# Altium PCB spin5v1_simple.PcbDoc (part 19 of 25)
Units mm, origin at the board's own origin, x right, y up, seen from the top; angles counter-clockwise.
Board outline 220.03 x 233.43 mm, 2 copper layers (TOP, BOTTOM), stack 0.176 mm thick; 1457 components, 4724 nets, 19245 pads, 25289 vias.
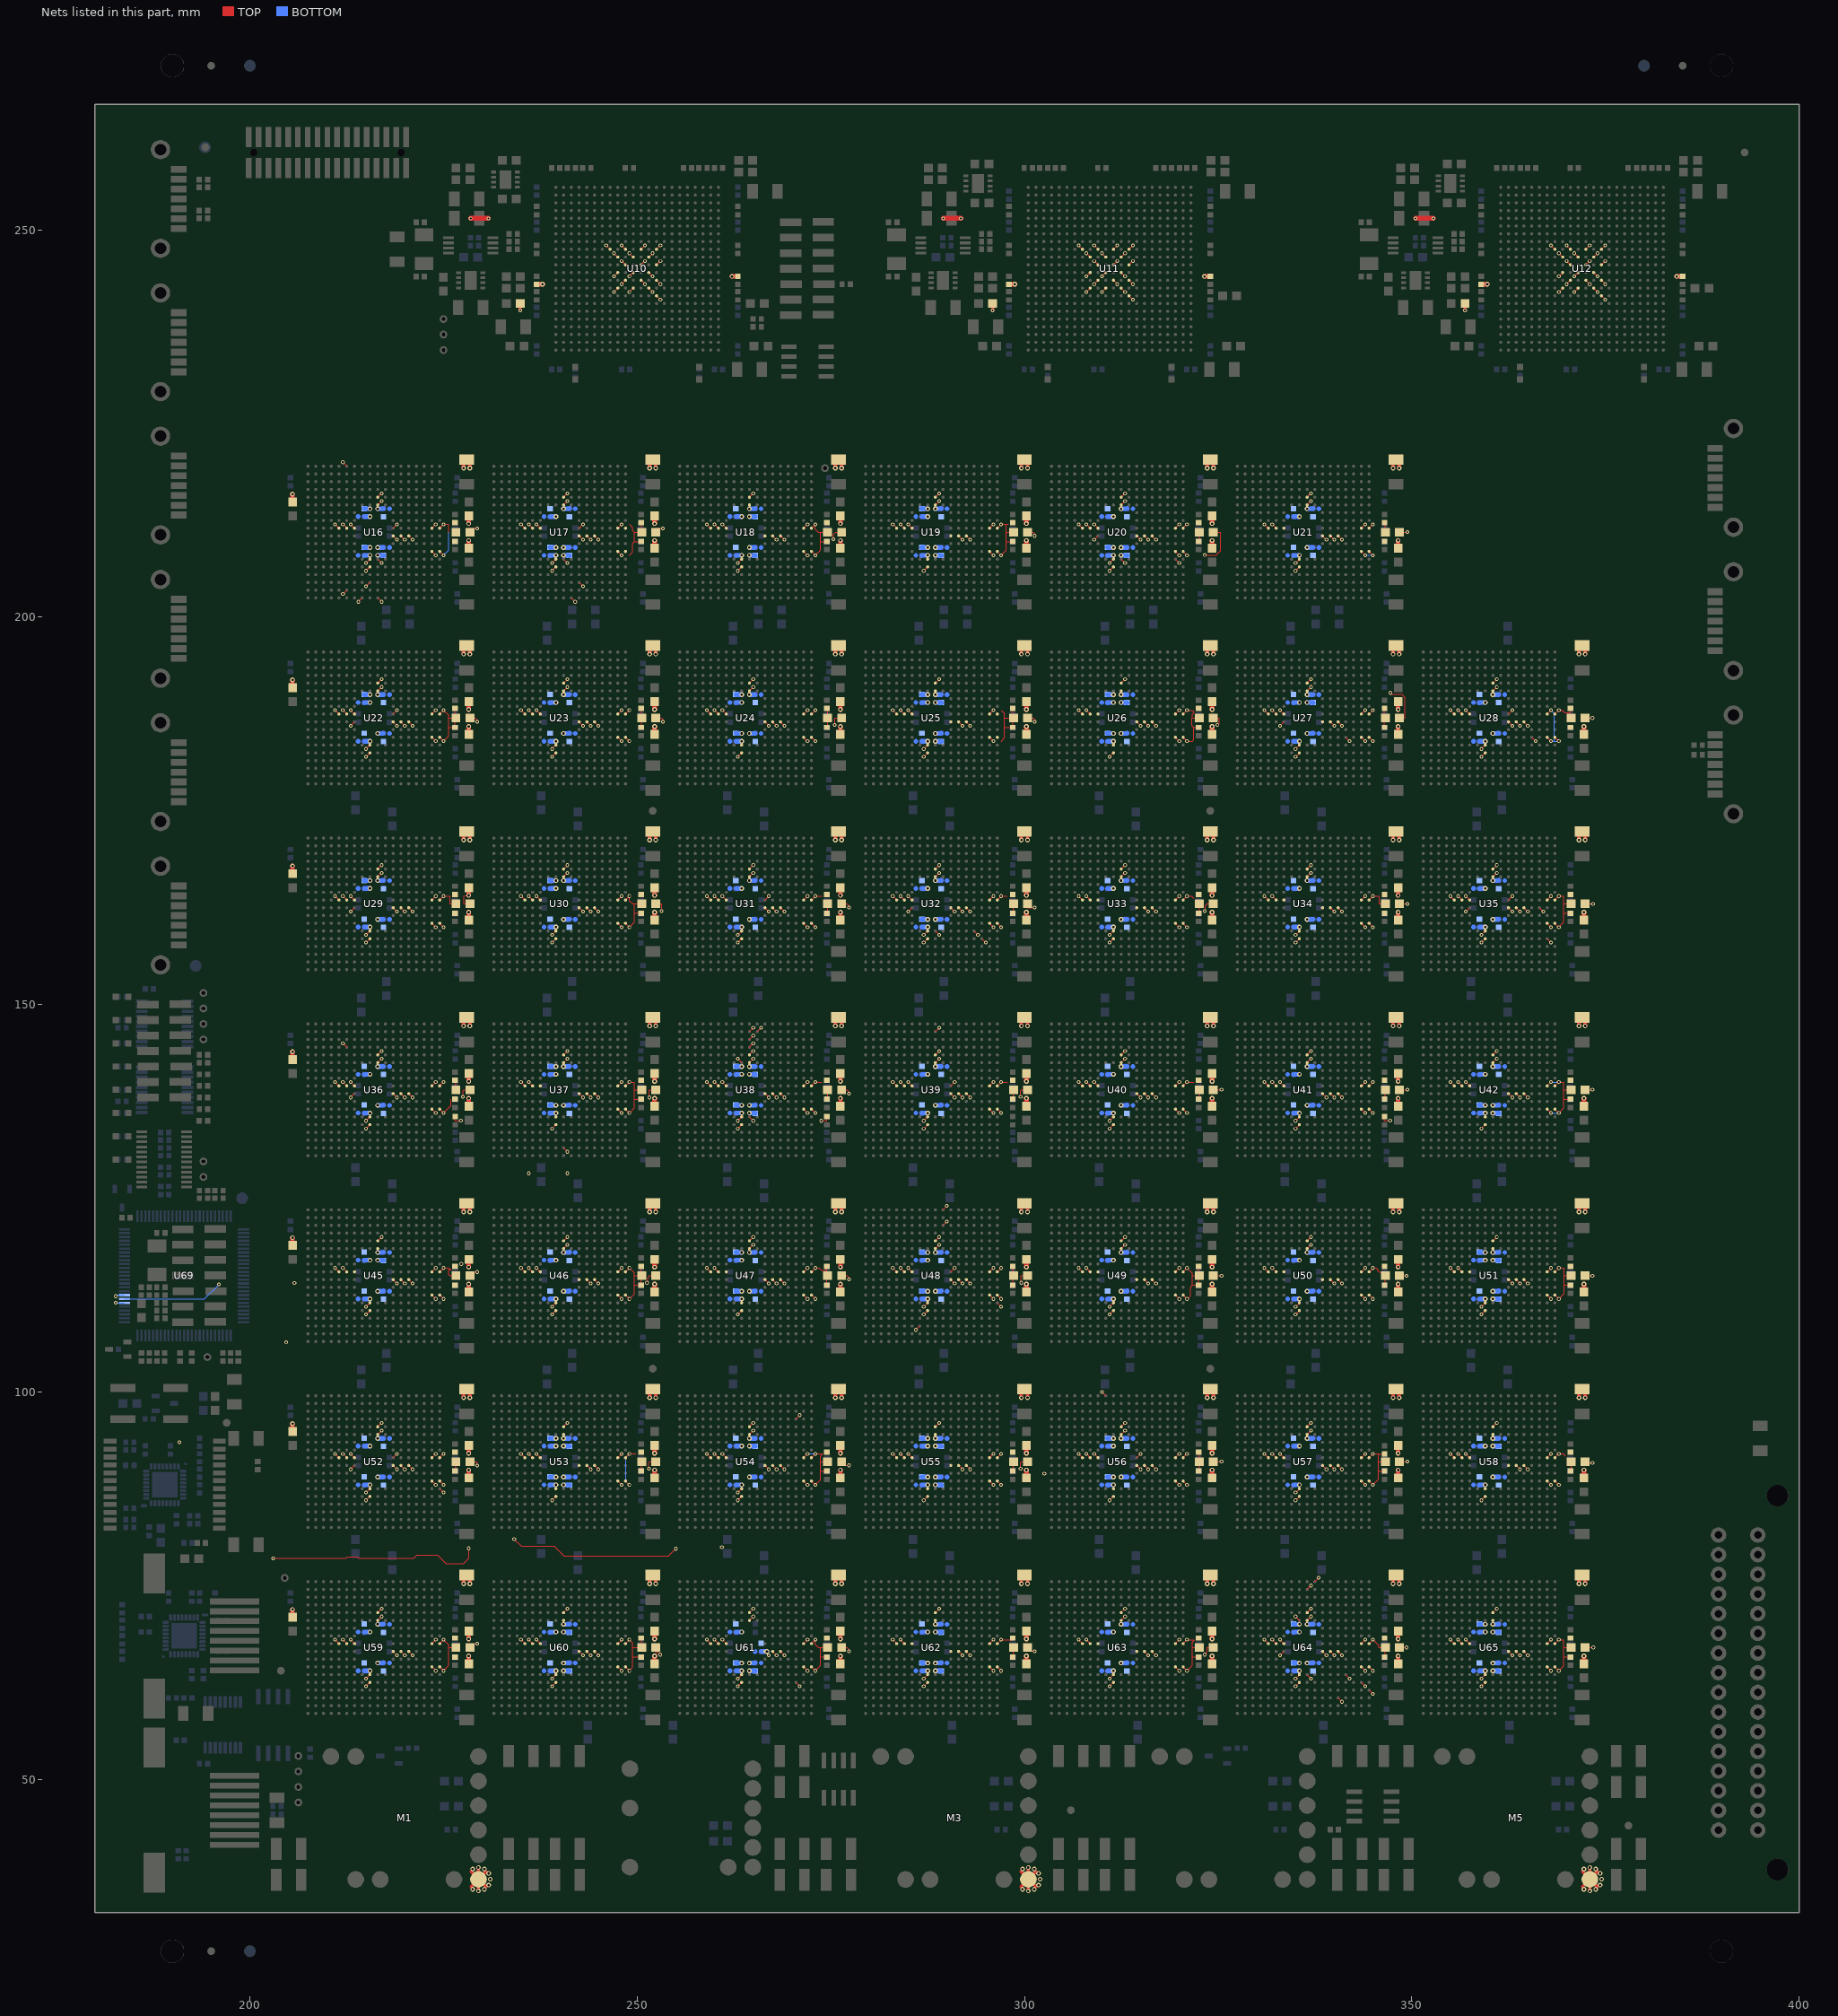
[diagram p19: the nets of this part, all layers, seen from the top]

## Via types
v1: diameter 0.48, hole 0.25, TOP to BOTTOM, 22348 vias
v2: diameter 0.61, hole 0.3, TOP to BOTTOM, 2059 vias
v3: diameter 0.8, hole 0, TOP to BOTTOM, 882 vias

## Nets (pads, with @x,y where several pads share a name; then routed paths per layer and width w, separated by ;. In a path a pad name is that pad's centre, name@x,y a point inside that pad or via, vN(x,y) a via of type N, cw(c..) or ccw(c..) an arc to the next point about the centre after c; other vN are vias at no path point) (continued)
V12A: C80.1 C81.1 C100.1 C120.1 C121.1 C122.1 C128.1 C130.1 C131.1 C147.1 C148.1 C149.1 C159.1 C160.1 C161.1 C166.1 C167.1 C168.1 C187.1 C188.1 C189.1 C203.1 C204.1 C210.1 C211.1 C233.1 C234.1 C249.1 C250.1 C256.1 C257.1 C277.1 C278.1 C292.1 C293.1 C301.1 C302.1 C324.1 C325.1 C342.1 C343.1 C350.1 C351.1 C373.1 C374.1 C390.1 C391.1 C397.1 C398.1 C418.1 C419.1 C509.1 C510.1 C511.1 C512.1 C513.1 C514.1 C533.1 C534.1 C535.1 C536.1 C537.1 C538.1 C587.1 C588.1 C589.1 C590.1 C591.1 C592.1 C615.1 C616.1 C617.1 C618.1 C619.1 C620.1 C665.1 C666.1 C667.1 C668.1 C693.1 C694.1 C695.1 C696.1 C736.1 C737.1 C738.1 C739.1 C764.1 C765.1 C766.1 C767.1 C808.1 C809.1 C810.1 C811.1 C836.1 C837.1 C838.1 C839.1 C880.1 C881.1 C882.1 C883.1 C909.1 C910.1 C911.1 C912.1 C958.1 C959.1 C960.1 C961.1 C987.1 C988.1 C989.1 C990.1 FB1.1 FB2.1 FB3.1 FB7.1 FB8.1 FB9.1 FB14.1 FB15.1 FB21.1 FB22.1 FB28.1 FB29.1 FB36.1 FB37.1 FB43.1 FB44.1 M1.5 R14.1 U10.J8 U10.J10 U10.J12 U10.J14 U10.K9 U10.K11 U10.K13 U10.L10 U10.L12 U10.L14 U10.M9 U10.M11 U10.M13 U10.N10 U10.N12 U10.N14 U10.P9 U10.P11 U10.P13 U10.R14 U16.E10 U16.F10 U16.J5 U16.J6 U16.J7 U16.K12 U16.K13 U16.K14 U16.N9 U16.P9 U17.E10 U17.F10 U17.J5 U17.J6 U17.J7 U17.K12 U17.K13 U17.K14 U17.N9 U17.P9 U18.E10 U18.F10 U18.J5 U18.J6 U18.J7 U18.K12 U18.K13 U18.K14 U18.N9 U18.P9 U22.E10 U22.F10 U22.J5 U22.J6 U22.J7 U22.K12 U22.K13 U22.K14 U22.N9 U22.P9 U23.E10 U23.F10 U23.J5 U23.J6 U23.J7 U23.K12 U23.K13 U23.K14 U23.N9 U23.P9 U24.E10 U24.F10 U24.J5 U24.J6 U24.J7 U24.K12 U24.K13 U24.K14 U24.N9 U24.P9 U29.E10 U29.F10 U29.J5 U29.J6 U29.J7 U29.K12 U29.K13 U29.K14 U29.N9 U29.P9 U30.E10 U30.F10 U30.J5 U30.J6 U30.J7 U30.K12 U30.K13 U30.K14 U30.N9 U30.P9 U36.E10 U36.F10 U36.J5 U36.J6 U36.J7 U36.K12 U36.K13 U36.K14 U36.N9 U36.P9 U37.E10 U37.F10 U37.J5 U37.J6 U37.J7 U37.K12 U37.K13 U37.K14 U37.N9 U37.P9 U45.E10 U45.F10 U45.J5 U45.J6 U45.J7 U45.K12 U45.K13 U45.K14 U45.N9 U45.P9 U46.E10 U46.F10 U46.J5 U46.J6 U46.J7 U46.K12 U46.K13 U46.K14 U46.N9 U46.P9 U52.E10 U52.F10 U52.J5 U52.J6 U52.J7 U52.K12 U52.K13 U52.K14 U52.N9 U52.P9 U53.E10 U53.F10 U53.J5 U53.J6 U53.J7 U53.K12 U53.K13 U53.K14 U53.N9 U53.P9 U59.E10 U59.F10 U59.J5 U59.J6 U59.J7 U59.K12 U59.K13 U59.K14 U59.N9 U59.P9 U60.E10 U60.F10 U60.J5 U60.J6 U60.J7 U60.K12 U60.K13 U60.K14 U60.N9 U60.P9 U69.6 | length 39.4
  TOP w0.127: R14.1@226.5,135.53 226.5,135.004 v1(227.227,135.004) ; v1(227.509,138.083) 227.509,138.9 227.609,139 FB21.1@228.4,139 ; v2(228.25,164.093) 227.734,164.093 227.634,163.993 227.634,163 FB14.1@228.4,163 ; FB43.1@228.4,67 228.4,67.48 v1(229.342,67.48) ; FB36.1@228.4,91 229.271,91 229.342,90.929 v1(229.342,90.483) ; FB28.1@228.4,115 228.4,115.48 v1(229.342,115.48) ; FB7.1@228.4,187 229.102,187 229.342,186.76 v1(229.342,186.513) ; FB1.1@228.4,211 228.4,211.48 v1(229.342,211.48) ; v1(251.267,114.083) 251.366,114.182 251.366,114.746 251.62,115 FB29.1@252.4,115 ; v1(251.509,90.083) 251.509,90.9 251.609,91 FB37.1@252.4,91 ; v1(251.578,138) 251.578,139 FB22.1@252.4,139 ; FB44.1@252.4,67 252.4,66.387 252.736,66.387 252.976,66.147 v1(252.976,66.083) ; FB15.1@252.4,163 253.166,163 v1(253.166,162.067) ; FB8.1@252.4,187 253.102,187 253.342,186.76 v1(253.342,186.513) ; FB2.1@252.4,211 252.4,211.48 v1(253.342,211.48) ; v1(275.31,210.083) 275.366,210.139 275.366,210.746 275.62,211 FB3.1@276.4,211 ; v1(275.509,186.083) 275.509,186.9 275.609,187 FB9.1@276.4,187
  TOP w0.4: 228.573,36.148 M1.5@229.515,37.09 ; 228.573,38.032 M1.5@229.515,37.09 ; v2@229.515,35.83 M1.5@229.515,37.09 ; v2@229.515,38.35 M1.5@229.515,37.09 ; 230.457,36.148 M1.5@229.515,37.09 ; 230.457,38.032 M1.5@229.515,37.09 ; v1(234.9,239.6) C100.1@234.9,240.5
  TOP w0.6: v1(228.5,251.5) 229.6,251.5 v1(230.8,251.5)
  TOP w0.61: v2(237.76,243) v2@237.762,243 ; v2@262.238,244 v2(262.24,244)
  BOTTOM w0.127: v1(182.683,111.5) U69.6@183.8,111.5
  BOTTOM w0.61: 213.988,64 213.99,64 ; 213.988,69 213.99,69 ; 213.988,88 213.99,88 ; 213.988,93 213.99,93 ; 213.988,112 213.99,112 ; 213.988,117 213.99,117 ; 213.988,136 213.99,136 ; 213.988,141 213.99,141 ; 213.988,160 213.99,160 ; 213.988,165 213.99,165 ; 213.988,184 213.99,184 ; 213.988,189 213.99,189 ; 213.988,208 213.99,208 ; 213.988,213 213.99,213 ; 218.01,65 218.012,65 ; 218.01,70 218.012,70 ; 218.01,89 218.012,89 ; 218.01,94 218.012,94 ; 218.01,113 218.012,113 ; 218.01,118 218.012,118 ; 218.01,137 218.012,137 ; 218.01,142 218.012,142 ; 218.01,161 218.012,161 ; 218.01,166 218.012,166 ; 218.01,185 218.012,185 ; 218.01,190 218.012,190 ; 218.01,209 218.012,209 ; 218.01,214 218.012,214 ; 237.988,64 237.99,64 ; 237.988,69 237.99,69 ; 237.988,88 237.99,88 ; 237.988,93 237.99,93 ; 237.988,112 237.99,112 ; 237.988,117 237.99,117 ; 237.988,136 237.99,136 ; 237.988,141 237.99,141 ; 237.988,160 237.99,160 ; 237.988,165 237.99,165 ; 237.988,184 237.99,184 ; 237.988,189 237.99,189 ; 237.988,208 237.99,208 ; 237.988,213 237.99,213 ; 242.01,65 242.012,65 ; 242.01,70 242.012,70 ; 242.01,89 242.012,89 ; 242.01,94 242.012,94 ; 242.01,113 242.012,113 ; 242.01,118 242.012,118 ; 242.01,137 242.012,137 ; 242.01,142 242.012,142 ; 242.01,161 242.012,161 ; 242.01,166 242.012,166 ; 242.01,185 242.012,185 ; 242.01,190 242.012,190 ; 242.01,209 242.012,209 ; 242.01,214 242.012,214 ; 261.988,184 261.99,184 ; 261.988,189 261.99,189 ; 261.988,208 261.99,208 ; 261.988,213 261.99,213 ; 266.01,185 266.012,185 ; 266.01,190 266.012,190 ; 266.01,209 266.012,209 ; 266.01,214 266.012,214
  other v1: 215,62 239,62 215,63 239,63 249,64 219,66 220,66 221,66 243,66 244,66 245,66 211,68 212,68 213,68 235,68 236,68 237,68 249,68 217,71 217,72 241,72 215,86 239,86 215,87 225,87 213,90 219,90 220,90 221,90 244,90 245,90 211,92 212,92 213,92 219,92 235,92 236,92 237,92 217,95 217,96 241,96 215,110 239,110 215,111 239,111 219,114 220,114 221,114 244,114 245,114 211,116 212,116 235,116 236,116 237,116 241,119 217,120 241,120 241,131 215,134 239,134 215,135 213,138 219,138 220,138 221,138 243,138 244,138 245,138 211,140 212,140 213,140 235,140 236,140 217,143 241,143 217,144 241,144 212,145 215,158 239,158 215,159 239,159 213,162 219,162 220,162 221,162 243,162 244,162 245,162 211,164 212,164 213,164 235,164 236,164 237,164 217,167 241,167 217,168 241,168 215,182 239,182 263,182 215,183 239,183 213,186 219,186 220,186 221,186 243,186 244,186 245,186 267,186 268,186 269,186 211,188 212,188 213,188 219,188 235,188 236,188 237,188 259,188 260,188 261,188 217,191 241,191 265,191 217,192 241,192 265,192 214,202 217,202 242,202 212,203 215,204 243,204 215,206 239,206 263,206 215,207 217,207 239,207 241,207 263,207 219,210 220,210 221,210 243,210 244,210 245,210 268,210 269,210 211,212 212,212 213,212 219,212 235,212 236,212 237,212 243,212 259,212 260,212 261,212 217,215 241,215 217,216 241,216 265,216 212,220 253,241 247,242 249,242 252,242 248,243 251,243 253,243 247,244 249,244 252,244 248,246 251,246 253,246 247,247 249,247 252,247 246,248 248,248 251,248 253,248
  other v2: 229.515,35.578 228.759,35.781 230.271,35.781 230.824,36.334 231.027,37.09 230.824,37.846 228.759,38.399 230.271,38.399 229.515,38.602 215.51,64 239.51,64 240.49,64 216.49,65 240.49,65 228.25,65.907 252.25,65.907 228.25,68.093 215.51,69 239.51,69 240.49,69 216.49,70 240.49,70 205.5,71.907 227.6,75.243 228.4,75.243 251.6,75.243 252.4,75.243 215.51,88 239.51,88 240.49,88 216.49,89 239.51,89 240.49,89 228.25,89.907 252.25,89.907 228.25,92.093 215.51,93 239.51,93 240.49,93 216.49,94 239.51,94 240.49,94 205.5,95.907 227.6,99.243 228.4,99.243 251.6,99.243 252.4,99.243 215.51,112 239.51,112 216.49,113 240.49,113 228.25,113.907 252.25,113.907 228.25,116.093 215.51,117 216.49,117 239.51,117 216.49,118 240.49,118 205.5,119.907 227.6,123.243 228.4,123.243 251.6,123.243 252.4,123.243 215.51,136 239.51,136 216.49,137 239.51,137 240.49,137 228.25,137.907 252.25,137.907 228.25,140.093 215.51,141 239.51,141 216.49,142 239.51,142 240.49,142 205.5,143.907 227.6,147.243 228.4,147.243 251.6,147.243 252.4,147.243 215.51,160 239.51,160 216.49,161 240.49,161 228.25,161.907 252.25,161.907 215.51,165 239.51,165 215.51,166 216.49,166 239.51,166 240.49,166 205.5,167.907 227.6,171.243 228.4,171.243 251.6,171.243 252.4,171.243 215.51,184 239.51,184 263.51,184 216.49,185 240.49,185 263.51,185 264.49,185 228.25,185.907 252.25,185.907 276.25,185.907 228.25,188.093 252.25,188.093 215.51,189 239.51,189 263.51,189 215.51,190 216.49,190 240.49,190 263.51,190 264.49,190 205.5,191.907 227.6,195.243 228.4,195.243 251.6,195.243 252.4,195.243 275.6,195.243 276.4,195.243 215.51,208 216.49,208 239.51,208 240.49,208 263.51,208 264.49,208 215.51,209 216.49,209 239.51,209 240.49,209 264.49,209 228.25,209.907 252.25,209.907 276.25,209.907 228.25,212.093 252.25,212.093 215.51,213 239.51,213 263.51,213 264.49,213 215.51,214 216.49,214 240.49,214 264.49,214 205.5,215.907 227.6,219.243 228.4,219.243 251.6,219.243 252.4,219.243 275.6,219.243 276.4,219.243
V12B: C82.1 C83.1 C102.1 C123.1 C124.1 C132.1 C133.1 C150.1 C151.1 C162.1 C163.1 C169.1 C170.1 C190.1 C191.1 C205.1 C206.1 C207.1 C212.1 C213.1 C214.1 C235.1 C236.1 C237.1 C251.1 C252.1 C258.1 C259.1 C279.1 C280.1 C294.1 C295.1 C303.1 C304.1 C326.1 C327.1 C344.1 C345.1 C352.1 C353.1 C375.1 C376.1 C392.1 C393.1 C394.1 C399.1 C400.1 C401.1 C420.1 C421.1 C422.1 C505.1 C506.1 C507.1 C508.1 C529.1 C530.1 C531.1 C532.1 C583.1 C584.1 C585.1 C586.1 C611.1 C612.1 C613.1 C614.1 C659.1 C660.1 C661.1 C662.1 C663.1 C664.1 C687.1 C688.1 C689.1 C690.1 C691.1 C692.1 C732.1 C733.1 C734.1 C735.1 C760.1 C761.1 C762.1 C763.1 C804.1 C805.1 C806.1 C807.1 C832.1 C833.1 C834.1 C835.1 C876.1 C877.1 C878.1 C879.1 C905.1 C906.1 C907.1 C908.1 C952.1 C953.1 C954.1 C955.1 C957.1 C971.1 C981.1 C982.1 C983.1 C984.1 C985.1 C986.1 FB4.1 FB5.1 FB10.1 FB11.1 FB16.1 FB17.1 FB18.1 FB23.1 FB24.1 FB30.1 FB31.1 FB38.1 FB39.1 FB45.1 FB46.1 FB47.1 M3.5 R15.1 U11.J8 U11.J10 U11.J12 U11.J14 U11.K9 U11.K11 U11.K13 U11.L10 U11.L12 U11.L14 U11.M9 U11.M11 U11.M13 U11.N10 U11.N12 U11.N14 U11.P9 U11.P11 U11.P13 U11.R14 U19.E10 U19.F10 U19.J5 U19.J6 U19.J7 U19.K12 U19.K13 U19.K14 U19.N9 U19.P9 U20.E10 U20.F10 U20.J5 U20.J6 U20.J7 U20.K12 U20.K13 U20.K14 U20.N9 U20.P9 U25.E10 U25.F10 U25.J5 U25.J6 U25.J7 U25.K12 U25.K13 U25.K14 U25.N9 U25.P9 U26.E10 U26.F10 U26.J5 U26.J6 U26.J7 U26.K12 U26.K13 U26.K14 U26.N9 U26.P9 U31.E10 U31.F10 U31.J5 U31.J6 U31.J7 U31.K12 U31.K13 U31.K14 U31.N9 U31.P9 U32.E10 U32.F10 U32.J5 U32.J6 U32.J7 U32.K12 U32.K13 U32.K14 U32.N9 U32.P9 U33.E10 U33.F10 U33.J5 U33.J6 U33.J7 U33.K12 U33.K13 U33.K14 U33.N9 U33.P9 U38.E10 U38.F10 U38.J5 U38.J6 U38.J7 U38.K12 U38.K13 U38.K14 U38.N9 U38.P9 U39.E10 U39.F10 U39.J5 U39.J6 U39.J7 U39.K12 U39.K13 U39.K14 U39.N9 U39.P9 U47.E10 U47.F10 U47.J5 U47.J6 U47.J7 U47.K12 U47.K13 U47.K14 U47.N9 U47.P9 U48.E10 U48.F10 U48.J5 U48.J6 U48.J7 U48.K12 U48.K13 U48.K14 U48.N9 U48.P9 U54.E10 U54.F10 U54.J5 U54.J6 U54.J7 U54.K12 U54.K13 U54.K14 U54.N9 U54.P9 U55.E10 U55.F10 U55.J5 U55.J6 U55.J7 U55.K12 U55.K13 U55.K14 U55.N9 U55.P9 U61.E10 U61.F10 U61.J5 U61.J6 U61.J7 U61.K12 U61.K13 U61.K14 U61.N9 U61.P9 U62.E10 U62.F10 U62.J5 U62.J6 U62.J7 U62.K12 U62.K13 U62.K14 U62.N9 U62.P9 U63.E10 U63.F10 U63.J5 U63.J6 U63.J7 U63.K12 U63.K13 U63.K14 U63.N9 U63.P9 U69.7 | length 53.7
  TOP w0.127: v1(273.773,135) 274.5,135 R15.1@274.5,135.53 ; FB45.1@276.4,67 277.102,67 277.342,66.76 v1(277.342,66.513) ; FB38.1@276.4,91 276.4,90.52 v1(277.342,90.52) ; FB30.1@276.4,115 277.102,115 277.342,114.76 v1(277.342,114.513) ; FB23.1@276.4,139 277.102,139 277.342,138.76 v1(277.342,138.513) ; FB16.1@276.4,163 277.102,163 277.342,162.76 v1(277.342,162.513) ; v1(299.509,90.083) 299.509,90.9 299.609,91 FB39.1@300.4,91 ; v1(299.509,138.083) 299.509,138.9 299.609,139 FB24.1@300.4,139 ; v1(299.578,114.083) 299.578,115 FB31.1@300.4,115 ; FB46.1@300.4,67 300.4,66.52 v1(301.342,66.52) ; FB17.1@300.4,163 300.4,162.52 v1(301.342,162.52) ; FB10.1@300.4,187 301.102,187 301.342,186.76 v1(301.342,186.513) ; FB4.1@300.4,211 301.102,211 301.342,210.76 v1(301.342,210.513) ; v1(323.267,66.083) 323.62,66.436 323.62,67 FB47.1@324.4,67 ; v1(323.267,162.083) 323.366,162.182 323.366,162.746 323.62,163 FB18.1@324.4,163 ; v1(323.27,208.028) 324.781,208.028 325.353,208.6 325.353,210.873 325.226,211 FB5.1@324.4,211 ; FB11.1@324.4,187 325.166,187 325.166,186.327 v1(324.922,186.083)
  TOP w0.4: v1(295.9,239.6) C102.1@295.9,240.5 ; 299.573,36.148 M3.5@300.515,37.09 ; 299.573,38.032 M3.5@300.515,37.09 ; v2@300.515,35.83 M3.5@300.515,37.09 ; v2@300.515,38.35 M3.5@300.515,37.09 ; 301.457,36.148 M3.5@300.515,37.09 ; 301.457,38.032 M3.5@300.515,37.09
  TOP w0.6: v1(289.5,251.5) 290.6,251.5 v1(291.8,251.5)
  TOP w0.61: v2(298.76,243) v2@298.762,243 ; v2@323.238,244 v2(323.24,244)
  BOTTOM w0.127: U69.7@183.8,112 194.133,112 v1(196,113.867)
  BOTTOM w0.61: 261.988,64 261.99,64 ; 261.988,69 261.99,69 ; 261.988,88 261.99,88 ; 261.988,93 261.99,93 ; 261.988,112 261.99,112 ; 261.988,117 261.99,117 ; 261.988,136 261.99,136 ; 261.988,141 261.99,141 ; 261.988,160 261.99,160 ; 261.988,165 261.99,165 ; 265.238,66.5 265.24,66.5 ; 266.01,65 266.012,65 ; 266.01,89 266.012,89 ; 266.01,94 266.012,94 ; 266.01,113 266.012,113 ; 266.01,118 266.012,118 ; 266.01,137 266.012,137 ; 266.01,142 266.012,142 ; 266.01,161 266.012,161 ; 266.01,166 266.012,166 ; 285.988,64 285.99,64 ; 285.988,69 285.99,69 ; 285.988,88 285.99,88 ; 285.988,93 285.99,93 ; 285.988,112 285.99,112 ; 285.988,117 285.99,117 ; 285.988,136 285.99,136 ; 285.988,141 285.99,141 ; 285.988,160 285.99,160 ; 285.988,165 285.99,165 ; 285.988,184 285.99,184 ; 285.988,189 285.99,189 ; 285.988,208 285.99,208 ; 285.988,213 285.99,213 ; 290.01,65 290.012,65 ; 290.01,70 290.012,70 ; 290.01,89 290.012,89 ; 290.01,94 290.012,94 ; 290.01,113 290.012,113 ; 290.01,118 290.012,118 ; 290.01,137 290.012,137 ; 290.01,142 290.012,142 ; 290.01,161 290.012,161 ; 290.01,166 290.012,166 ; 290.01,185 290.012,185 ; 290.01,190 290.012,190 ; 290.01,209 290.012,209 ; 290.01,214 290.012,214 ; 309.988,64 309.99,64 ; 309.988,69 309.99,69 ; 309.988,160 309.99,160 ; 309.988,165 309.99,165 ; 309.988,184 309.99,184 ; 309.988,189 309.99,189 ; 309.988,208 309.99,208 ; 309.988,213 309.99,213 ; 314.01,65 314.012,65 ; 314.01,70 314.012,70 ; 314.01,161 314.012,161 ; 314.01,166 314.012,166 ; 314.01,185 314.012,185 ; 314.01,190 314.012,190 ; 314.01,209 314.012,209 ; 314.01,214 314.012,214
  other v1: 263,62 271,62 287,62 311,62 263,63 287,63 311,63 267,66 268,66 269,66 292,66 293,66 316,66 317,66 259,68 260,68 261,68 283,68 284,68 307,68 308,68 265,71 313,71 265,72 289,72 313,72 263,86 287,86 263,87 267,90 268,90 269,90 292,90 293,90 259,92 260,92 261,92 283,92 284,92 285,92 265,95 265,96 289,96 271,97 204.689,106.394 286,108 263,110 287,110 287,111 297,111 267,114 268,114 269,114 291,114 292,114 293,114 205.752,114.07 259,116 260,116 283,116 284,116 285,116 291,116 227.3,116.524 265,119 289,119 265,120 289,120 290,122 290,124 236,128.222 241,128.222 263,134 287,134 263,135 265,135 287,135 267,138 268,138 269,138 291,138 292,138 293,138 259,140 260,140 261,140 283,140 284,140 285,140 291,140 263,143 265,143 289,143 265,144 289,144 265,145 265,146 265,147 266,147 289,147 263,158 287,158 295,158 311,158 263,159 287,159 289,159 294,159 311,159 267,162 268,162 269,162 285,162 291,162 292,162 293,162 316,162 317,162 259,164 260,164 261,164 267,164 283,164 284,164 285,164 307,164 308,164 265,167 289,167 313,167 265,168 289,168 313,168 287,182 311,182 287,183 292,186 293,186 315,186 316,186 317,186 283,188 284,188 285,188 307,188 308,188 289,192 313,192 287,206 311,206 311,207 313,207 320,207 292,210 293,210 309,210 315,210 316,210 317,210 283,212 284,212 285,212 307,212 308,212 309,212 289,215 313,215 289,216 313,216 314,241 308,242 310,242 313,242 309,243 312,243 314,243 308,244 310,244 313,244 309,246 312,246 314,246 308,247 310,247 313,247 307,248 309,248 312,248 314,248
  other v2: 300.515,35.578 299.759,35.781 301.271,35.781 301.824,36.334 302.027,37.09 301.824,37.846 299.759,38.399 301.271,38.399 300.515,38.602 263.51,64 264.49,64 287.51,64 288.49,64 311.51,64 263.51,65 264.49,65 287.51,65 288.49,65 312.49,65 276.25,65.907 300.25,65.907 324.25,65.907 266.76,66.5 252.25,68.093 276.25,68.093 300.25,68.093 263.51,69 287.51,69 288.49,69 311.51,69 288.49,70 312.49,70 275.6,75.243 276.4,75.243 299.6,75.243 300.4,75.243 323.6,75.243 324.4,75.243 263.51,88 287.51,88 288.49,88 264.49,89 287.51,89 288.49,89 276.25,89.907 300.25,89.907 252.25,92.093 276.25,92.093 263.51,93 264.49,93 287.51,93 288.49,93 264.49,94 287.51,94 288.49,94 275.6,99.243 276.4,99.243 299.6,99.243 300.4,99.243 263.51,112 287.51,112 263.51,113 264.49,113 287.51,113 288.49,113 276.25,113.907 300.25,113.907 252.25,116.093 276.25,116.093 263.51,117 287.51,117 263.51,118 264.49,118 287.51,118 288.49,118 275.6,123.243 276.4,123.243 299.6,123.243 300.4,123.243 263.51,136 264.49,136 287.51,136 263.51,137 264.49,137 288.49,137 276.25,137.907 300.25,137.907 252.25,140.093 276.25,140.093 263.51,141 264.49,141 287.51,141 263.51,142 264.49,142 288.49,142 275.6,147.243 276.4,147.243 299.6,147.243 300.4,147.243 263.51,160 287.51,160 311.51,160 264.49,161 287.51,161 288.49,161 312.49,161 276.25,161.907 300.25,161.907 324.25,161.907 252.25,164.093 276.25,164.093 300.25,164.093 263.51,165 287.51,165 311.51,165 264.49,166 288.49,166 312.49,166 275.6,171.243 276.4,171.243 299.6,171.243 300.4,171.243 323.6,171.243 324.4,171.243 287.51,184 288.49,184 311.51,184 288.49,185 311.51,185 312.49,185 300.25,185.907 324.25,185.907 276.25,188.093 300.25,188.093 287.51,189 288.49,189 311.51,189 312.49,189 287.51,190 288.49,190 311.51,190 312.49,190 299.6,195.243 300.4,195.243 323.6,195.243 324.4,195.243 287.51,208 288.49,208 311.51,208 312.49,208 287.51,209 288.49,209 311.51,209 312.49,209 300.25,209.907 324.25,209.907 276.25,212.093 300.25,212.093 287.51,213 311.51,213 287.51,214 288.49,214 312.49,214 299.6,219.243 300.4,219.243 323.6,219.243 324.4,219.243
V12C: C84.1 C85.1 C103.1 C125.1 C134.1 C152.1 C164.1 C165.1 C171.1 C172.1 C192.1 C193.1 C208.1 C209.1 C215.1 C216.1 C238.1 C239.1 C253.1 C254.1 C255.1 C260.1 C261.1 C262.1 C281.1 C282.1 C283.1 C296.1 C297.1 C298.1 C305.1 C306.1 C307.1 C328.1 C329.1 C330.1 C346.1 C347.1 C348.1 C354.1 C355.1 C356.1 C377.1 C378.1 C379.1 C395.1 C396.1 C402.1 C403.1 C423.1 C424.1 C503.1 C504.1 C527.1 C528.1 C579.1 C580.1 C581.1 C582.1 C607.1 C608.1 C609.1 C610.1 C655.1 C656.1 C657.1 C658.1 C683.1 C684.1 C685.1 C686.1 C726.1 C727.1 C728.1 C729.1 C730.1 C731.1 C754.1 C755.1 C756.1 C757.1 C758.1 C759.1 C798.1 C799.1 C800.1 C801.1 C802.1 C803.1 C826.1 C827.1 C828.1 C829.1 C830.1 C831.1 C870.1 C871.1 C872.1 C873.1 C874.1 C875.1 C899.1 C900.1 C901.1 C902.1 C903.1 C904.1 C948.1 C949.1 C950.1 C951.1 C977.1 C978.1 C979.1 C980.1 FB6.1 FB12.1 FB13.1 FB19.1 FB20.1 FB25.1 FB26.1 FB27.1 FB32.1 FB33.1 FB34.1 FB40.1 FB41.1 FB42.1 FB48.1 FB49.1 M5.5 R17.1 U12.J8 U12.J10 U12.J12 U12.J14 U12.K9 U12.K11 U12.K13 U12.L10 U12.L12 U12.L14 U12.M9 U12.M11 U12.M13 U12.N10 U12.N12 U12.N14 U12.P9 U12.P11 U12.P13 U12.R14 U21.E10 U21.F10 U21.J5 U21.J6 U21.J7 U21.K12 U21.K13 U21.K14 U21.N9 U21.P9 U27.E10 U27.F10 U27.J5 U27.J6 U27.J7 U27.K12 U27.K13 U27.K14 U27.N9 U27.P9 U28.E10 U28.F10 U28.J5 U28.J6 U28.J7 U28.K12 U28.K13 U28.K14 U28.N9 U28.P9 U34.E10 U34.F10 U34.J5 U34.J6 U34.J7 U34.K12 U34.K13 U34.K14 U34.N9 U34.P9 U35.E10 U35.F10 U35.J5 U35.J6 U35.J7 U35.K12 U35.K13 U35.K14 U35.N9 U35.P9 U40.E10 U40.F10 U40.J5 U40.J6 U40.J7 U40.K12 U40.K13 U40.K14 U40.N9 U40.P9 U41.E10 U41.F10 U41.J5 U41.J6 U41.J7 U41.K12 U41.K13 U41.K14 U41.N9 U41.P9 U42.E10 U42.F10 U42.J5 U42.J6 U42.J7 U42.K12 U42.K13 U42.K14 U42.N9 U42.P9 U49.E10 U49.F10 U49.J5 U49.J6 U49.J7 U49.K12 U49.K13 U49.K14 U49.N9 U49.P9 U50.E10 U50.F10 U50.J5 U50.J6 U50.J7 U50.K12 U50.K13 U50.K14 U50.N9 U50.P9 U51.E10 U51.F10 U51.J5 U51.J6 U51.J7 U51.K12 U51.K13 U51.K14 U51.N9 U51.P9 U56.E10 U56.F10 U56.J5 U56.J6 U56.J7 U56.K12 U56.K13 U56.K14 U56.N9 U56.P9 U57.E10 U57.F10 U57.J5 U57.J6 U57.J7 U57.K12 U57.K13 U57.K14 U57.N9 U57.P9 U58.E10 U58.F10 U58.J5 U58.J6 U58.J7 U58.K12 U58.K13 U58.K14 U58.N9 U58.P9 U64.E10 U64.F10 U64.J5 U64.J6 U64.J7 U64.K12 U64.K13 U64.K14 U64.N9 U64.P9 U65.E10 U65.F10 U65.J5 U65.J6 U65.J7 U65.K12 U65.K13 U65.K14 U65.N9 U65.P9 U69.8 | length 84.1
  TOP w0.127: v1(202.997,78.513) 212.385,78.513 212.577,78.705 213.853,78.705 214.025,78.533 221.168,78.533 221.543,78.908 224.239,78.908 225.304,77.843 227.559,77.843 228.258,78.542 v1(228.258,79.806) ; v1(234.129,80.979) 235.04,80.068 239.27,80.068 240.531,78.807 254.053,78.807 v1(255,79.754) ; FB40.1@324.4,91 v1(325.456,91) ; FB32.1@324.4,115 v1(325.456,115) ; FB25.1@324.4,139 v1(325.456,139) ; R17.1@346.5,135.53 346.5,135.004 v1(347.227,135.004) ; v1(347.267,190.247) 347.444,190.07 348.721,190.07 349.166,189.625 349.166,187 FB12.1@348.4,187 ; FB48.1@348.4,67 v1(349.342,67) ; FB41.1@348.4,91 v1(349.456,91) ; FB33.1@348.4,115 v1(349.342,115) ; FB26.1@348.4,139 v1(349.456,139) ; FB19.1@348.4,163 v1(349.456,163) ; FB6.1@348.4,211 v1(349.456,211) ; FB49.1@372.4,67 v1(373.456,67) ; FB42.1@372.4,91 372.4,90.843 v1(373.342,90.843) ; FB34.1@372.4,115 v1(373.342,115) ; FB27.1@372.4,139 v1(373.342,139) ; FB20.1@372.4,163 v1(373.399,163) ; FB13.1@372.4,187 v1(373.342,187)
  TOP w0.4: v1(356.9,239.6) C103.1@356.9,240.5 ; 372.073,36.148 M5.5@373.015,37.09 ; 372.073,38.032 M5.5@373.015,37.09 ; v2@373.015,35.83 M5.5@373.015,37.09 ; v2@373.015,38.35 M5.5@373.015,37.09 ; 373.957,36.148 M5.5@373.015,37.09 ; 373.957,38.032 M5.5@373.015,37.09
  TOP w0.6: v1(350.5,251.5) 351.6,251.5 v1(352.8,251.5)
  TOP w0.61: v2(359.76,243) v2@359.762,243 ; v2@384.238,244 v2(384.24,244)
  BOTTOM w0.127: v1(182.683,112.35) 182.833,112.5 U69.8@183.8,112.5
  BOTTOM w0.61: 309.988,88 309.99,88 ; 309.988,93 309.99,93 ; 309.988,112 309.99,112 ; 309.988,117 309.99,117 ; 309.988,136 309.99,136 ; 309.988,141 309.99,141 ; 314.01,89 314.012,89 ; 314.01,94 314.012,94 ; 314.01,113 314.012,113 ; 314.01,118 314.012,118 ; 314.01,137 314.012,137 ; 314.01,142 314.012,142 ; 333.988,64 333.99,64 ; 333.988,69 333.99,69 ; 333.988,88 333.99,88 ; 333.988,93 333.99,93 ; 333.988,112 333.99,112 ; 333.988,117 333.99,117 ; 333.988,136 333.99,136 ; 333.988,141 333.99,141 ; 333.988,160 333.99,160 ; 333.988,165 333.99,165 ; 333.988,184 333.99,184 ; 333.988,189 333.99,189 ; 333.988,208 333.99,208 ; 333.988,213 333.99,213 ; 338.01,65 338.012,65 ; 338.01,70 338.012,70 ; 338.01,89 338.012,89 ; 338.01,94 338.012,94 ; 338.01,113 338.012,113 ; 338.01,118 338.012,118 ; 338.01,137 338.012,137 ; 338.01,142 338.012,142 ; 338.01,161 338.012,161 ; 338.01,166 338.012,166 ; 338.01,185 338.012,185 ; 338.01,190 338.012,190 ; 338.01,209 338.012,209 ; 338.01,214 338.012,214 ; 357.988,64 357.99,64 ; 357.988,69 357.99,69 ; 357.988,88 357.99,88 ; 357.988,93 357.99,93 ; 357.988,112 357.99,112 ; 357.988,117 357.99,117 ; 357.988,136 357.99,136 ; 357.988,141 357.99,141 ; 357.988,160 357.99,160 ; 357.988,165 357.99,165 ; 357.988,184 357.99,184 ; 357.988,189 357.99,189 ; 362.01,65 362.012,65 ; 362.01,70 362.012,70 ; 362.01,89 362.012,89 ; 362.01,94 362.012,94 ; 362.01,113 362.012,113 ; 362.01,118 362.012,118 ; 362.01,137 362.012,137 ; 362.01,142 362.012,142 ; 362.01,161 362.012,161 ; 362.01,166 362.012,166 ; 362.01,185 362.012,185 ; 362.01,190 362.012,190
  other v1: 341,60 345,61 335,62 344,62 359,62 335,63 337,63 342,63 359,63 333,66 339,66 340,66 341,66 363,66 364,66 365,66 331,68 332,68 333,68 355,68 356,68 357,68 335,71 337,71 337,72 361,72 337,75 338,76 260.935,79.947 311,86 335,86 359,86 335,87 302.569,89.43 315,90 316,90 317,90 339,90 340,90 341,90 364,90 365,90 307,92 308,92 309,92 315,92 331,92 332,92 333,92 355,92 356,92 357,92 190.91,93.496 313,95 337,95 313,96 337,96 361,96 310,100 311,110 335,110 359,110 311,111 335,111 359,111 316,114 317,114 340,114 341,114 363,114 364,114 365,114 307,116 308,116 331,116 332,116 355,116 356,116 313,119 337,119 313,120 337,120 361,120 311,134 335,134 359,134 311,135 335,135 315,138 316,138 317,138 339,138 340,138 341,138 363,138 364,138 365,138 307,140 308,140 309,140 331,140 332,140 333,140 355,140 356,140 357,140 313,143 337,143 361,143 313,144 337,144 361,144 335,158 359,158 368,158 335,159 359,159 340,162 341,162 357,162 363,162 364,162 365,162 367,162 331,164 332,164 355,164 356,164 357,164 363,164 337,167 361,167 337,168 361,168 335,182 359,182 335,183 359,183 342,184 366,184 333,186 340,186 341,186 363,186 364,186 365,186 331,188 332,188 333,188 355,188 356,188 357,188 363,188 337,191 361,191 337,192 361,192 335,206 335,207 339,210 340,210 341,210 331,212 332,212 337,215 337,216 375,241 369,242 371,242 374,242 370,243 373,243 375,243 369,244 371,244 374,244 370,246 373,246 375,246 369,247 371,247 374,247 368,248 370,248 373,248 375,248
  other v2: 373.015,35.578 372.259,35.781 373.771,35.781 374.324,36.334 374.527,37.09 374.324,37.846 372.259,38.399 373.771,38.399 373.015,38.602 335.51,64 359.51,64 360.49,64 335.51,65 336.49,65 360.49,65 348.25,65.907 372.25,65.907 324.25,68.093 348.25,68.093 335.51,69 359.51,69 360.49,69 335.51,70 336.49,70 359.51,70 360.49,70 347.6,75.243 348.4,75.243 371.6,75.243 372.4,75.243 311.51,88 335.51,88 359.51,88 311.51,89 312.49,89 336.49,89 360.49,89 324.25,89.907 348.25,89.907 372.25,89.907 300.25,92.093 324.25,92.093 348.25,92.093 311.51,93 335.51,93 359.51,93 360.49,93 311.51,94 312.49,94 336.49,94 360.49,94 323.6,99.243 324.4,99.243 347.6,99.243 348.4,99.243 371.6,99.243 372.4,99.243 311.51,112 335.51,112 359.51,112 360.49,112 312.49,113 336.49,113 360.49,113 324.25,113.907 348.25,113.907 372.25,113.907 300.25,116.093 324.25,116.093 348.25,116.093 311.51,117 335.51,117 359.51,117 360.49,117 312.49,118 336.49,118 359.51,118 360.49,118 323.6,123.243 324.4,123.243 347.6,123.243 348.4,123.243 371.6,123.243 372.4,123.243 311.51,136 335.51,136 359.51,136 360.49,136 312.49,137 336.49,137 359.51,137 360.49,137 324.25,137.907 348.25,137.907 372.25,137.907 300.25,140.093 324.25,140.093 348.25,140.093 311.51,141 335.51,141 359.51,141 312.49,142 336.49,142 360.49,142 323.6,147.243 324.4,147.243 347.6,147.243 348.4,147.243 371.6,147.243 372.4,147.243 335.51,160 359.51,160 336.49,161 360.49,161 348.25,161.907 372.25,161.907 324.25,164.093 348.25,164.093 335.51,165 359.51,165 336.49,166 360.49,166 347.6,171.243 348.4,171.243 371.6,171.243 372.4,171.243 335.51,184 359.51,184 336.49,185 360.49,185 348.25,185.907 372.25,185.907 324.25,188.093 348.25,188.093 335.51,189 336.49,189 359.51,189 336.49,190 360.49,190 347.6,195.243 348.4,195.243 371.6,195.243 372.4,195.243 335.51,208 336.49,209 348.25,209.907 324.25,212.093 335.51,213 336.49,214 347.6,219.243 348.4,219.243
V12PLL: C408.1 C415.1 FB47.2 U63.J17 U63.J18 U63.M17 U63.M18 | length 7
  TOP w0.127: v1(321,64) 321.671,64.671 321.671,65.78 ; v1(321,68) 321.864,68 321.925,67.939 321.671,67.685 321.671,67 ; C415.1@322.5,65.78 321.671,65.78 ; FB47.2@322.6,67 321.671,67 ; 321.671,65.78 321.671,67
  other v1: 320,64 320,68
V12PLL_48: C407.1 C414.1 FB46.2 U62.J17 U62.J18 U62.M17 U62.M18 | length 3
  TOP w0.127: v1(297,68) 298.5,68 C407.1@298.5,68.22 ; C414.1@298.5,65.78 298.6,65.78 FB46.2@298.6,67
  other v1: 296,64 297,64 296,68
V12PLL_49: C406.1 C413.1 FB45.2 U61.J17 U61.J18 U61.M17 U61.M18 | length 6.5
  TOP w0.127: v1(273,64) 273.685,64.685 273.685,65.78 ; v1(273,68) 273,67.397 273.397,67 273.685,67 ; C413.1@274.5,65.78 273.685,65.78 ; FB45.2@274.6,67 273.685,67 ; 273.685,65.78 273.685,67
  other v1: 272,64 272,68
V12PLL_50: C405.1 C412.1 FB44.2 U60.J17 U60.J18 U60.M17 U60.M18 | length 7.9
  TOP w0.127: 249,64 249.431,64.431 249.431,65.78 ; 249,68 249.431,67.569 249.431,67 ; C412.1@250.5,65.78 249.431,65.78 ; C405.1@250.5,68.22 250.6,68.22 FB44.2@250.6,67 249.431,67 ; 249.431,65.78 249.431,67
  other v1: 248,64 248,68
V12PLL_51: C179.1 C186.1 FB13.2 U28.J17 U28.J18 U28.M17 U28.M18 | length 7.3
  TOP w0.127: v1(369,188) 369.449,188 369.765,187.684 370.5,187.684 C179.1@370.5,188.22
  BOTTOM w0.127: v1(368,184) 368.431,184 ; v1(368,188) 368.431,187.569 368.431,184 ; v1(369,184) 368.431,184
V12PLL_52: C140.1 C146.1 FB6.2 U21.J17 U21.J18 U21.M17 U21.M18 | length 2.3
  TOP w0.127: C140.1@346.5,212.22 346.6,212.22 FB6.2@346.6,211
  BOTTOM w0.127: v1(344,208) v1(345,208)
  other v1: 344,212 345,212
V12PLL_53: C138.1 C144.1 FB4.2 U19.J17 U19.J18 U19.M17 U19.M18 | length 7
  TOP w0.127: v1(297,208) 297.671,208.671 297.671,209.78 ; v1(297,212) 297.665,212 297.671,211.994 ; 297.925,211.994 297.671,211.994 ; C144.1@298.5,209.78 297.671,209.78 ; FB4.2@298.6,211 297.671,211 ; 297.671,209.78 297.671,211 ; 297.671,211 297.671,211.994
  other v1: 296,208 296,212
V12PLL_54: C137.1 C143.1 FB3.2 U18.J17 U18.J18 U18.M17 U18.M18 | length 6.5
  TOP w0.127: v1(273,208) 273.671,208.671 273.671,209.78 ; v1(273,212) 273,211.397 273.397,211 273.671,211 ; C143.1@274.5,209.78 273.671,209.78 ; FB3.2@274.6,211 273.671,211 ; 273.671,209.78 273.671,211
  other v1: 272,208 272,212
V12PLL_55: C136.1 C142.1 FB2.2 U17.J17 U17.J18 U17.M17 U17.M18 | length 7.6
  TOP w0.127: 249,208 249.431,208.431 249.431,209.553 249.658,209.78 ; 249,212 249.431,211.569 249.431,211.227 249.658,211 ; C142.1@250.5,209.78 249.658,209.78 ; C136.1@250.5,212.22 250.6,212.22 FB2.2@250.6,211 249.658,211 ; 249.658,209.78 249.658,211
  other v1: 248,208 248,212
V12PLL_56: C176.1 C183.1 FB10.2 U25.J17 U25.J18 U25.M17 U25.M18 | length 9
  TOP w0.127: 297,184 297.431,184.431 297.431,185.78 ; 297,188 297.431,187.569 297.431,187 ; C176.1@298.5,188.22 C183.1@298.5,185.78 297.431,185.78 ; FB10.2@298.6,187 297.431,187 ; 297.431,185.78 297.431,187
  other v1: 296,184 296,188
V12PLL_57: C139.1 C145.1 FB5.2 U20.J17 U20.J18 U20.M17 U20.M18 | length 1.3
  TOP w0.127: C145.1@322.5,209.78 322.6,209.78 FB5.2@322.6,211
  other v1: 320,208 321,208 320,212 321,212
V12PLL_58: C178.1 C185.1 FB12.2 U27.J17 U27.J18 U27.M17 U27.M18 | length 2.4
  TOP w0.127: C185.1@346.5,185.78 C178.1@346.5,188.22
  other v1: 344,184 345,184 344,188 345,188
V12PLL_59: C223.1 C232.1 FB20.2 U35.J17 U35.J18 U35.M17 U35.M18 | length 6.7
  TOP w0.127: v1(369,160) 369.658,160.658 369.658,161.78 ; v1(369,164) 369.658,164 369.658,163 ; C232.1@370.5,161.78 369.658,161.78 ; FB20.2@370.6,163 369.658,163 ; 369.658,161.78 369.658,163
  other v1: 368,160 368,164
V12PLL_60: C269.1 C276.1 FB27.2 U42.J17 U42.J18 U42.M17 U42.M18 | length 8.7
  TOP w0.127: v1(369,136) 369.658,136.658 369.658,137.78 ; v1(369,140) 369.658,140 369.658,139 ; C276.1@370.5,137.78 369.658,137.78 ; FB27.2@370.6,139 369.658,139 ; 369.658,137.78 369.658,139
  BOTTOM w0.127: v1(368,136) v1(369,136) ; v1(368,140) v1(369,140)
V12PLL_61: C222.1 C231.1 FB19.2 U34.J17 U34.J18 U34.M17 U34.M18 | length 2.6
  TOP w0.127: v1(345,164) 345.834,164 345.834,163 FB19.2@346.6,163
  other v1: 344,160 345,160 344,164
V12PLL_62: C177.1 C184.1 FB11.2 U26.J17 U26.J18 U26.M17 U26.M18 | length 7.3
  TOP w0.127: v1(321,184) 321.663,184 321.862,184.199 321.862,185.78 ; v1(321,188) 321.68,188 321.939,187.741 321.685,187.487 321.685,187 ; C184.1@322.5,185.78 321.862,185.78 ; FB11.2@322.6,187 321.685,187 ; 321.685,187 321.608,186.923 321.608,186.034 321.862,185.78
  other v1: 320,184 320,188
V12PLL_63: C175.1 C182.1 FB9.2 U24.J17 U24.J18 U24.M17 U24.M18 | length 2.6
  TOP w0.127: C182.1@274.5,185.78 274.6,185.78 FB9.2@274.6,187 274.6,188.22 C175.1@274.5,188.22
  other v1: 272,184 273,184 272,188 273,188
V12PLL_64: C174.1 C181.1 FB8.2 U23.J17 U23.J18 U23.M17 U23.M18 | length 2.6
  TOP w0.127: C181.1@250.5,185.78 250.6,185.78 FB8.2@250.6,187 250.6,188.22 C174.1@250.5,188.22
  other v1: 248,184 249,184 248,188 249,188
V12PLL_65: C135.1 C141.1 FB1.2 U16.J17 U16.J18 U16.M17 U16.M18 | length 4.9
  TOP w0.127: v1(225,212) 225.658,212 225.658,211
  BOTTOM w0.127: v1(225,208) 225.658,208.658 225.658,211
  other v1: 224,208 224,212
V12PLL_66: C314.1 C323.1 FB34.2 U51.J17 U51.J18 U51.M17 U51.M18 | length 6.7
  TOP w0.127: v1(369,112) 369.685,112.685 369.685,113.78 ; v1(369,116) 369.685,116 369.685,115 ; C323.1@370.5,113.78 369.685,113.78 ; FB34.2@370.6,115 369.685,115 ; 369.685,113.78 369.685,115
  other v1: 368,112 368,116
V12PLL_67: C268.1 C275.1 FB26.2 U41.J17 U41.J18 U41.M17 U41.M18 | length 1.3
  TOP w0.127: C275.1@346.5,137.78 346.6,137.78 FB26.2@346.6,139
  other v1: 344,136 345,136 344,140 345,140
V12PLL_68: C221.1 C230.1 FB18.2 U33.J17 U33.J18 U33.M17 U33.M18 | length 2.3
  TOP w0.127: v1(321,164) 321.575,164 321.834,163.741 ; C230.1@322.5,161.78 322.6,161.78 FB18.2@322.6,163
  other v1: 320,160 321,160 320,164
V12PLL_69: C220.1 C229.1 FB17.2 U32.J17 U32.J18 U32.M17 U32.M18 | length 2.1
  TOP w0.127: v1(297,164) 297.785,164 ; C229.1@298.5,161.78 298.6,161.78 FB17.2@298.6,163
  other v1: 296,160 297,160 296,164
V12PLL_70: C219.1 C228.1 FB16.2 U31.J17 U31.J18 U31.M17 U31.M18 | length 2.2
  TOP w0.127: v1(273,164) 273.834,164 ; C228.1@274.5,161.78 274.6,161.78 FB16.2@274.6,163
  other v1: 272,160 273,160 272,164
V12PLL_71: C218.1 C227.1 FB15.2 U30.J17 U30.J18 U30.M17 U30.M18 | length 6.5
  TOP w0.127: v1(249,160) 249.671,160.671 249.671,161.78 ; v1(249,164) 249,163.397 249.397,163 249.671,163 ; C227.1@250.5,161.78 249.671,161.78 ; FB15.2@250.6,163 249.671,163 ; 249.671,161.78 249.671,163
  other v1: 248,160 248,164
V12PLL_72: C173.1 C180.1 FB7.2 U22.J17 U22.J18 U22.M17 U22.M18 | length 8.8
  TOP w0.127: v1(225,184) 225.671,184.671 225.671,185.78 ; v1(225,188) 225.671,187.329 225.671,187 ; C173.1@226.5,188.22 C180.1@226.5,185.78 225.671,185.78 ; FB7.2@226.6,187 225.671,187 ; 225.671,185.78 225.671,187
  other v1: 224,184 224,188
V12PLL_73: C362.1 C372.1 FB42.2 U58.J17 U58.J18 U58.M17 U58.M18 | length 2.3
  TOP w0.127: v1(369,92) 369.575,92 369.834,91.741 ; C372.1@370.5,89.78 370.6,89.78 FB42.2@370.6,91
  other v1: 368,88 369,88 368,92
V12PLL_74: C313.1 C322.1 FB33.2 U50.J17 U50.J18 U50.M17 U50.M18 | length 3.2
  TOP w0.127: v1(345,116) 345.431,116 345.685,115.746 345.685,115.613 345.812,115.486 FB33.2@346.6,115.486 ; C322.1@346.5,113.78 346.6,113.78 FB33.2@346.6,115
  other v1: 344,112 345,112 344,116
V12PLL_75: C267.1 C274.1 FB25.2 U40.J17 U40.J18 U40.M17 U40.M18 | length 2.2
  TOP w0.127: v1(321,140) 321.834,140 ; C274.1@322.5,137.78 322.6,137.78 FB25.2@322.6,139
  other v1: 320,136 321,136 320,140
V12PLL_76: C266.1 C273.1 FB24.2 U39.J17 U39.J18 U39.M17 U39.M18 | length 2.2
  TOP w0.127: v1(297,140) 297.834,140 ; C273.1@298.5,137.78 298.6,137.78 FB24.2@298.6,139
  other v1: 296,136 297,136 296,140
V12PLL_77: C265.1 C272.1 FB23.2 U38.J17 U38.J18 U38.M17 U38.M18 | length 2.2
  TOP w0.127: v1(273,140) 273.834,140 ; C272.1@274.5,137.78 274.6,137.78 FB23.2@274.6,139
  other v1: 272,136 273,136 272,140
V12PLL_78: C264.1 C271.1 FB22.2 U37.J17 U37.J18 U37.M17 U37.M18 | length 6.7
  TOP w0.127: v1(249,136) 249.658,136.658 249.658,137.78 ; v1(249,140) 249.658,140 249.658,139 ; C271.1@250.5,137.78 249.658,137.78 ; FB22.2@250.6,139 249.658,139 ; 249.658,137.78 249.658,139
  other v1: 248,136 248,140
V12PLL_79: C263.1 C270.1 FB21.2 U36.J17 U36.J18 U36.M17 U36.M18 | length 3.5
  TOP w0.127: v1(225,136) 225.939,136.939 225.939,137.78 ; C263.1@226.5,140.22 226.6,140.22 FB21.2@226.6,139
  other v1: 224,136 224,140 225,140
V12PLL_80: C217.1 C226.1 FB14.2 U29.J17 U29.J18 U29.M17 U29.M18 | length 2.6
  TOP w0.127: v1(225,164) 225.834,164 225.834,163 FB14.2@226.6,163
  other v1: 224,160 225,160 224,164
V12PLL_81: C410.1 C417.1 FB49.2 U65.J17 U65.J18 U65.M17 U65.M18 | length 6.7
  TOP w0.127: v1(369,64) 369.631,64.631 369.631,65.78 ; v1(369,68) 369.631,68 369.631,67 ; C417.1@370.5,65.78 369.631,65.78 ; FB49.2@370.6,67 369.631,67 ; 369.631,65.78 369.631,67
  other v1: 368,64 368,68
V12PLL_82: C364.1 C371.1 FB41.2 U57.J17 U57.J18 U57.M17 U57.M18 | length 7.4
  TOP w0.127: v1(345,88) 345.734,88.734 345.734,89.78 ; v1(345,92) 345.704,92 345.734,91.97 ; C371.1@346.5,89.78 345.734,89.78 ; C364.1@346.5,91.97 345.734,91.97 ; FB41.2@346.6,91 345.734,91 ; 345.734,89.78 345.734,91 ; 345.734,91 345.734,91.97
  other v1: 344,88 344,92
V12PLL_83: C312.1 C321.1 FB32.2 U49.J17 U49.J18 U49.M17 U49.M18 | length 8.7
  TOP w0.127: v1(321,112) 321.431,112.431 321.431,113.526 321.685,113.78 ; v1(321,116) 321.685,115.315 321.685,115 ; C312.1@322.5,116.22 C321.1@322.5,113.78 321.685,113.78 ; FB32.2@322.6,115 321.685,115 ; 321.685,113.78 321.685,115
  other v1: 320,112 320,116
V12PLL_84: C311.1 C320.1 FB31.2 U48.J17 U48.J18 U48.M17 U48.M18 | length 2.5
  TOP w0.127: C320.1@298.5,113.78 FB31.2@298.5,115 ; C311.1@298.5,116.22 FB31.2@298.5,115 ; FB31.2@298.6,115 FB31.2@298.5,115
  other v1: 296,112 297,112 296,116 297,116
V12PLL_85: C310.1 C319.1 FB30.2 U47.J17 U47.J18 U47.M17 U47.M18 | length 4.2
  TOP w0.127: v1(273,116) 273.5,116 273.816,115.684 274.5,115.684 ; C319.1@274.5,113.78 FB30.2@274.5,115 ; C310.1@274.5,116.22 274.5,115.684 ; FB30.2@274.6,115 FB30.2@274.5,115 ; FB30.2@274.5,115 274.5,115.684
  other v1: 272,112 273,112 272,116
V12PLL_86: C309.1 C318.1 FB29.2 U46.J17 U46.J18 U46.M17 U46.M18 | length 8.8
  TOP w0.127: v1(249,112) 249.658,112.658 249.658,113.78 ; v1(249,116) 249.658,115.342 249.658,115 ; C309.1@250.5,116.22 C318.1@250.5,113.78 249.658,113.78 ; FB29.2@250.6,115 249.658,115 ; 249.658,113.78 249.658,115
  other v1: 248,112 248,116
V12PLL_87: C308.1 C317.1 FB28.2 U45.J17 U45.J18 U45.M17 U45.M18 | length 2.9
  TOP w0.127: v1(225,116) 225.68,116 225.939,115.741 225.685,115.741 225.685,115.127 225.812,115 226.5,115 FB28.2@226.6,115
  other v1: 224,112 225,112 224,116
V12PLL_88: C409.1 C416.1 FB48.2 U64.J17 U64.J18 U64.M17 U64.M18 | length 3.4
  TOP w0.127: v1(345,68) 345.779,67.221 345.779,67 FB48.2@346.5,67 ; C416.1@346.5,65.78 346.6,65.78 FB48.2@346.6,67
  other v1: 344,64 345,64 344,68
V12PLL_89: C361.1 C370.1 FB40.2 U56.J17 U56.J18 U56.M17 U56.M18 | length 2.6
  TOP w0.127: C370.1@322.5,89.78 322.6,89.78 FB40.2@322.6,91 322.6,92.22 C361.1@322.5,92.22
  other v1: 320,88 321,88 320,92 321,92
V12PLL_90: C360.1 C369.1 FB39.2 U55.J17 U55.J18 U55.M17 U55.M18 | length 1.3
  TOP w0.127: C369.1@298.5,89.78 298.6,89.78 FB39.2@298.6,91
  other v1: 296,88 297,88 296,92 297,92
V12PLL_91: C359.1 C368.1 FB38.2 U54.J17 U54.J18 U54.M17 U54.M18 | length 8
  TOP w0.127: v1(273,88) 273.671,88.671 273.671,89.78 ; v1(273,92) 273.864,92 273.925,91.939 273.671,91.685 273.671,91 ; C368.1@274.5,89.78 273.671,89.78 ; FB38.2@274.6,91 273.671,91 ; 273.671,89.78 273.671,91
  BOTTOM w0.127: v1(272,92) v1(273,92)
  other v1: 272,88
V12PLL_92: C358.1 C367.1 FB37.2 U53.J17 U53.J18 U53.M17 U53.M18 | length 6.5
  TOP w0.127: v1(249,92) 249.834,92 ; C367.1@250.5,89.78 250.6,89.78 FB37.2@250.6,91
  BOTTOM w0.127: v1(249,88) 248.569,88.431 248.569,91.569 v1(249,92)
  other v1: 248,88 248,92
V12PLL_93: C357.1 C366.1 FB36.2 U52.J17 U52.J18 U52.M17 U52.M18 | length 1.3
  TOP w0.127: C366.1@226.5,89.78 226.6,89.78 FB36.2@226.6,91
  other v1: 224,88 225,88 224,92 225,92
V12PLL_94: C404.1 C411.1 FB43.2 U59.J17 U59.J18 U59.M17 U59.M18 | length 5.4
  TOP w0.127: v1(225,64) 225.671,64.671 225.671,67 ; v1(225,68) 225.671,67.329 225.671,67 ; FB43.2@226.5,67 225.671,67
  other v1: 224,64 224,68

## Text inside footprints (layer, text, board x,y; h text height)
J6: PIN_NUMBER "6" at 390.24,215.48 h0.8 r90; PIN_NUMBER "5" at 390.19,216.71 h0.8 r90; PIN_NUMBER "3" at 390.37,219.28 h0.8 r90; PIN_NUMBER "2" at 390.29,220.58 h0.8 r90; PIN_NUMBER "7" at 390.22,214.19 h0.8 r90; PIN_NUMBER "1" at 390.24,221.82 h0.8 r90; PIN_NUMBER "4" at 390.19,218.01 h0.8 r90
J7: PIN_NUMBER "6" at 189.12,201.02 h0.8 r270; PIN_NUMBER "5" at 189.17,199.79 h0.8 r270; PIN_NUMBER "3" at 188.99,197.22 h0.8 r270; PIN_NUMBER "2" at 189.07,195.92 h0.8 r270; PIN_NUMBER "1" at 189.12,194.68 h0.8 r270; PIN_NUMBER "4" at 189.17,198.49 h0.8 r270; PIN_NUMBER "7" at 189.14,202.31 h0.8 r270
J8: PIN_NUMBER "6" at 390.24,196.98 h0.8 r90; PIN_NUMBER "5" at 390.19,198.21 h0.8 r90; PIN_NUMBER "3" at 390.37,200.78 h0.8 r90; PIN_NUMBER "2" at 390.29,202.08 h0.8 r90; PIN_NUMBER "7" at 390.22,195.69 h0.8 r90; PIN_NUMBER "4" at 390.19,199.51 h0.8 r90; PIN_NUMBER "1" at 390.24,203.32 h0.8 r90
J9: PIN_NUMBER "5" at 189.17,181.29 h0.8 r270; PIN_NUMBER "2" at 189.07,177.42 h0.8 r270; PIN_NUMBER "3" at 188.99,178.72 h0.8 r270; PIN_NUMBER "6" at 189.12,182.52 h0.8 r270; PIN_NUMBER "1" at 189.12,176.18 h0.8 r270; PIN_NUMBER "7" at 189.14,183.81 h0.8 r270; PIN_NUMBER "4" at 189.17,179.99 h0.8 r270
J10: PIN_NUMBER "6" at 390.24,178.48 h0.8 r90; PIN_NUMBER "5" at 390.19,179.71 h0.8 r90; PIN_NUMBER "3" at 390.37,182.28 h0.8 r90; PIN_NUMBER "2" at 390.29,183.58 h0.8 r90; PIN_NUMBER "7" at 390.22,177.19 h0.8 r90; PIN_NUMBER "1" at 390.24,184.82 h0.8 r90; PIN_NUMBER "4" at 390.19,181.01 h0.8 r90
J11: PIN_NUMBER "5" at 189.17,162.79 h0.8 r270; PIN_NUMBER "6" at 189.12,164.02 h0.8 r270; PIN_NUMBER "2" at 189.07,158.92 h0.8 r270; PIN_NUMBER "3" at 188.99,160.22 h0.8 r270; PIN_NUMBER "4" at 189.17,161.49 h0.8 r270; PIN_NUMBER "7" at 189.14,165.31 h0.8 r270; PIN_NUMBER "1" at 189.12,157.68 h0.8 r270
J12: PIN_NUMBER "7" at 192.36,144 h0.8 r180; PIN_NUMBER "5" at 192.36,142 h0.8 r180; PIN_NUMBER "9" at 192.36,146 h0.8 r180; PIN_NUMBER "3" at 192.36,140 h0.8 r180; PIN_NUMBER "1" at 192.36,138 h0.8 r180; PIN_NUMBER "12" at 183.72,148 h0.8 r180; PIN_NUMBER "13" at 191.72,150 h0.8 r180; PIN_NUMBER "11" at 191.72,148 h0.8 r180; PIN_NUMBER "8" at 184.36,144 h0.8 r180; PIN_NUMBER "10" at 183.72,146 h0.8 r180; PIN_NUMBER "4" at 184.36,140 h0.8 r180; PIN_NUMBER "2" at 184.36,138 h0.8 r180; PIN_NUMBER "6" at 184.36,142 h0.8 r180; PIN_NUMBER "14" at 183.72,150 h0.8 r180
J13: PIN_NUMBER "12" at 188.22,119 h0.8 r180; PIN_NUMBER "1" at 196.86,109 h0.8 r180; PIN_NUMBER "13" at 196.22,121 h0.8 r180; PIN_NUMBER "7" at 196.86,115 h0.8 r180; PIN_NUMBER "11" at 196.22,119 h0.8 r180; PIN_NUMBER "5" at 196.86,113 h0.8 r180; PIN_NUMBER "9" at 196.86,117 h0.8 r180; PIN_NUMBER "3" at 196.86,111 h0.8 r180; PIN_NUMBER "10" at 188.22,117 h0.8 r180; PIN_NUMBER "8" at 188.86,115 h0.8 r180; PIN_NUMBER "6" at 188.86,113 h0.8 r180; PIN_NUMBER "4" at 188.86,111 h0.8 r180; PIN_NUMBER "14" at 188.22,121 h0.8 r180; PIN_NUMBER "2" at 188.86,109 h0.8 r180
J14: PIN_NUMBER "6" at 200.828,66.59 h0.64 r270; PIN_NUMBER "3" at 200.808,70.4 h0.64 r270; PIN_NUMBER "2" at 200.748,71.67 h0.64 r270; PIN_NUMBER "1" at 200.748,72.93 h0.64 r270; PIN_NUMBER "5" at 200.828,67.85 h0.64 r270; PIN_NUMBER "4" at 200.828,69.1 h0.64 r270; PIN_NUMBER "7" at 200.808,65.32 h0.64 r270; PIN_NUMBER "8" at 200.868,64.04 h0.64 r270